# KiCad board data-center-rdimm-ddr5-tester.kicad_pcb (continued)
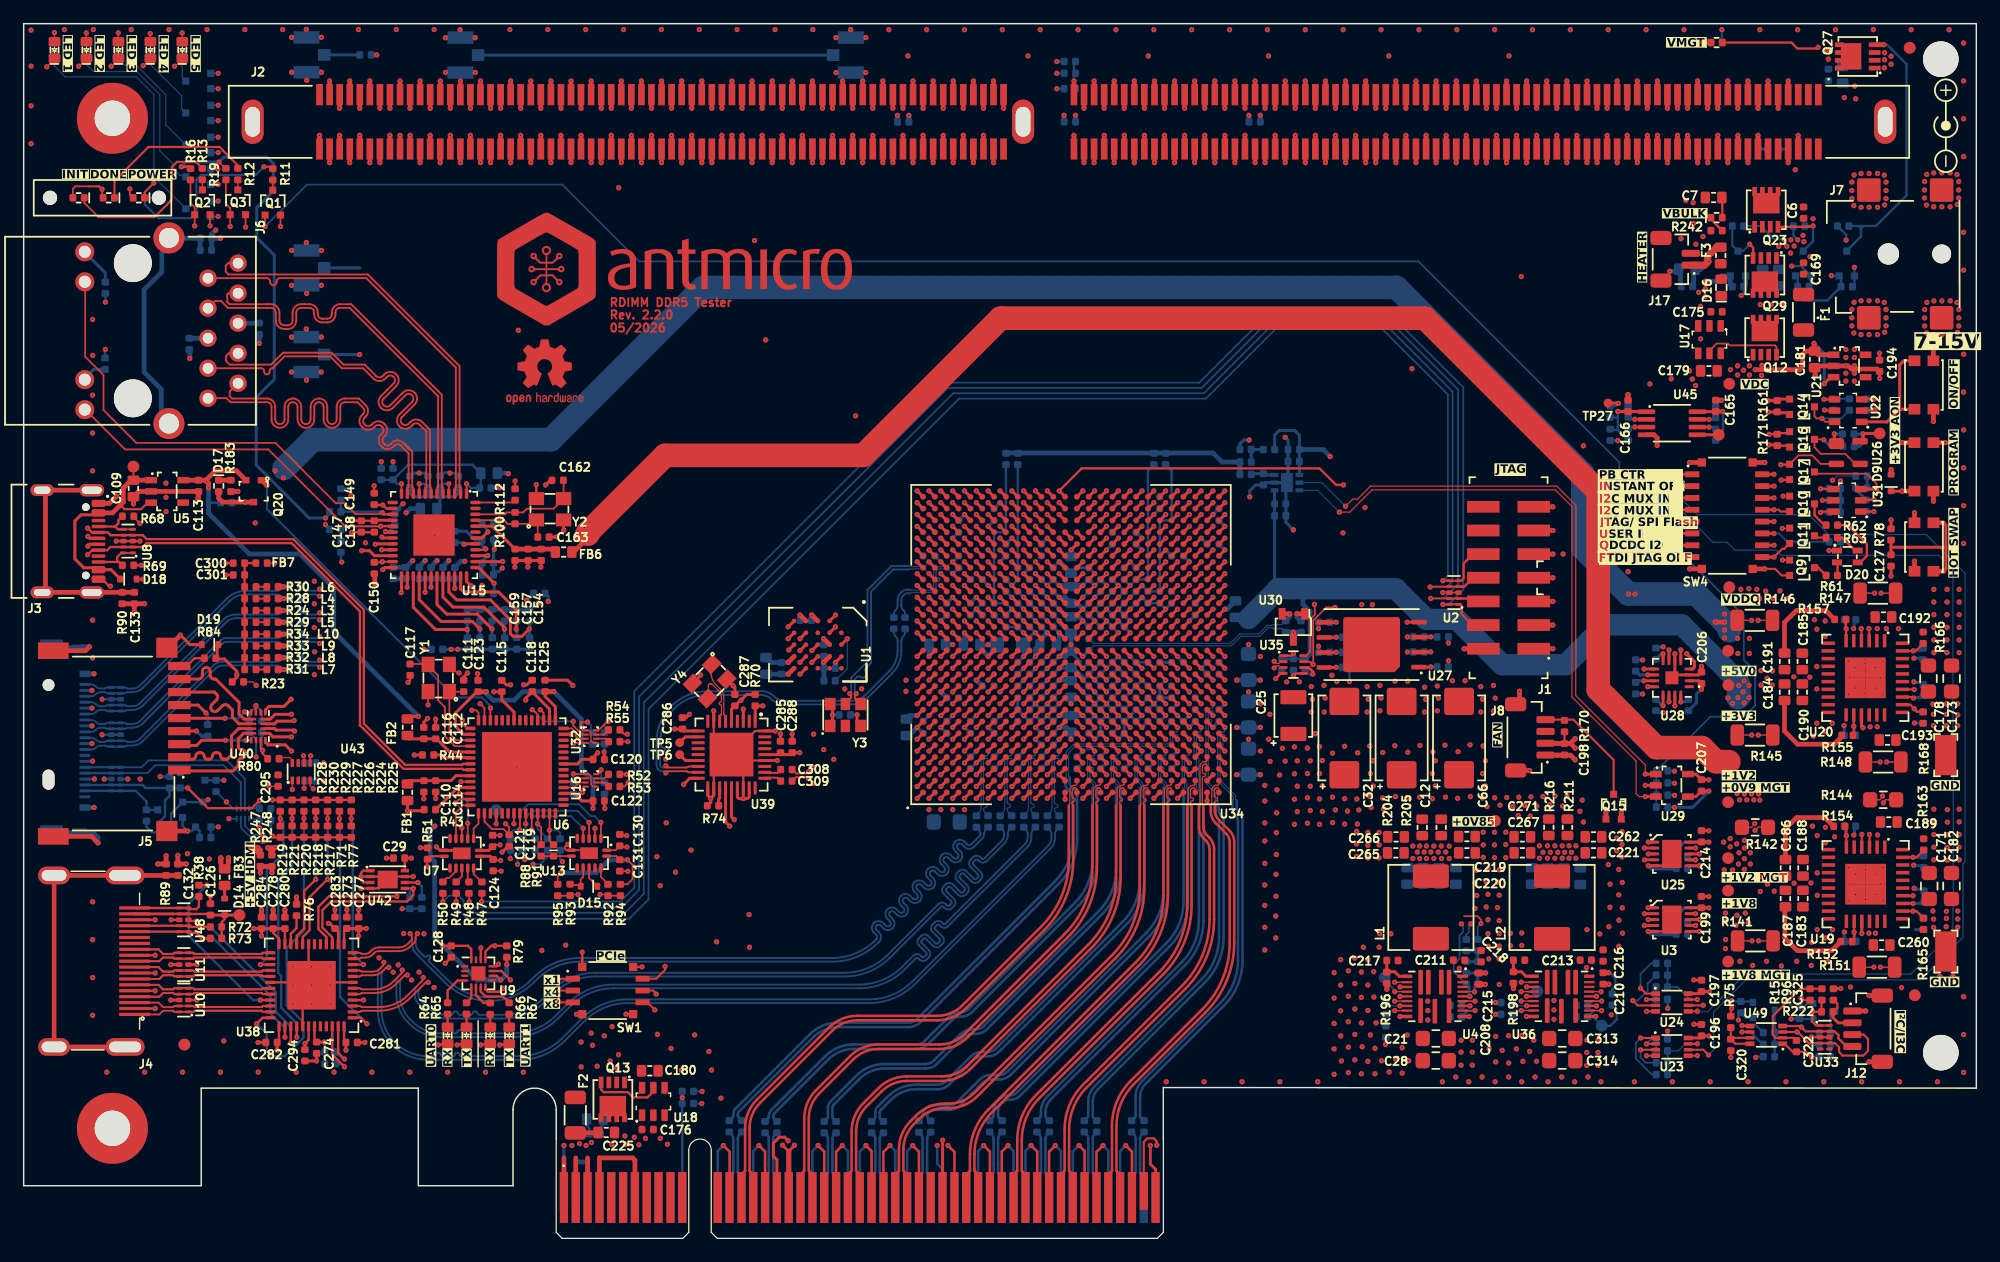
[diagram p0: board, top side]
## Placement (name value [footprint] x y rotation side) (continued)
Y4  Resonator_114.285MHZ_ABM8  [Resonator_SMD_Abracon_ABM8G_3.2x2.5mm]  58.03 47.09 225 top

## Library data of the parts
A1 = -: Datasheet: https://www.qats.com/DataSheet/ATS-61500-Series-C2-R0; MPN: ATS-61500R-C2-R0; Manufacturer: Advanced Thermal Solutions; Author: Antmicro; License: Apache-2.0; ki_fp_filters: Heatsink_*
C1 C11 C14 C22 C31 C44 C62 C63 C73 C85 C94 C239 = -: Datasheet: https://www.murata.com/products/productdetail?partno=GRM188R60J476ME15%23; Manufacturer: Murata; MPN: GRM188R60J476ME15D; Val: 47u; License: Apache-2.0; Author: Antmicro
C2-C5 C69 C110 C112 C115 C118-C120 C123 C125 C132 C133 C165 C166 C169 C170 C175 C176 C195-C197 C199 C203 C206 C207 C209 C212 C214 C223 C226-C234 C244 C245 C250-C257 C275 C276 C279 C289-C293 C300 C302-C309 C320 C322 C328 C330 C332 = -: Datasheet: https://www.murata.com/products/productdetail?partno=GRM155R61H104KE14%23; Manufacturer: Murata; MPN: GRM155R61H104KE14D; Val: 100n; License: Apache-2.0; Author: Antmicro; Voltage: 50V; Dielectric: X5R
C6 C8-C10 C13 C15 C17 C19 C20 C24 C26 C29 C33 C42 C48 C55 C60 C61 C64 C65 C68 C74 C76 C78 C80 C82 C83 C89 C91 C93 C96 C98-C101 C104-C108 C121 C124 C128 C130 C131 C135 C137 C157 C160 C161 C164 C205 C235-C238 C273 C274 C278 C280-C283 C285-C287 C294-C299 C310-C312 C315-C318 C321 C324 C325 = -: Datasheet: https://www.murata.com/products/productdetail?partno=GRM155R61H104KE14%23; MPN: GRM155R61H104KE14D; Manufacturer: Murata; License: Apache-2.0; Author: Antmicro; Val: 100n; Voltage: 50V; Dielectric: X5R
C7 C224 C225 C319 C323 C326 C327 = -: Datasheet: https://product.tdk.com/en/search/capacitor/ceramic/mlcc/info?part_no=C1608X5R1E106M080AC; MPN: C1608X5R1E106M080AC; Manufacturer: TDK; License: Apache-2.0; Author: Antmicro; Val: 10u; Voltage: 25V
C12 C32 C66 = -: Datasheet: https://www.kemet.com/en/us/capacitors/product/T520D108M2R5ATE030.html; MPN: T520D108M2R5ATE030; Manufacturer: KEMET; License: Apache-2.0; Author: Antmicro; Val: 1000u; Voltage: 2.5V; Dielectric: template_dielectric
C16 C18 C23 C27 C30 C37 C49 C67 C70 C71 C87 C95 C167 C168 C243 C277 C284 C288 = -: Datasheet: https://www.murata.com/products/productdetail?partno=GRM155R61A106ME11%23; MPN: GRM155R61A106ME11D; Manufacturer: Murata; License: Apache-2.0; Author: Antmicro; Val: 10u; Voltage: 10V; Dielectric: X5R
C21 C28 C171 C177 C182 C200-C202 C313 C314 = -: Datasheet: https://product.samsungsem.com/mlcc/CL21A226MAYNNN.do; MPN: CL21A226MAYNNNE; Manufacturer: Samsung Electro-Mechanics; License: Apache-2.0; Author: Antmicro; Val: 22u; Voltage: 25V; Dielectric: X5R; Public: False
C25 = -: Datasheet: https://www.kemet.com/en/us/capacitors/product/T520B337M006ATE040.html; Val: 330u; MPN: T520B337M006ATE040; Manufacturer: KEMET; License: Apache-2.0; Author: Antmicro; Voltage: 6.3V; Dielectric: template_dielectric
C34-C36 C39-C41 C43 C45-C47 C50-C53 C56-C59 C75 C77 C79 C81 C84 C86 C88 C90 C92 C211 C213 C246-C248 = -: Datasheet: https://www.murata.com/products/productdetail?partno=GRM155R61E105KE11%23; MPN: GRM155R61E105KE11J; Manufacturer: Murata; License: Apache-2.0; Author: Antmicro; Val: 1u; Voltage: 25V; Dielectric: X5R
C38 C54 C240-C242 = -: Datasheet: https://www.murata.com/products/productdetail?partno=GRM21BR60J107ME15%23; MPN: GRM21BR60J107ME15L; Manufacturer: Murata; License: Apache-2.0; Author: Antmicro; Val: 100u; Public: False
C72 C97 C102 C103 C114 C116 C122 C134 C139 C146 C152 C155 C158 C159 = -: Datasheet: https://www.murata.com/products/productdetail?partno=GRM155R61A475MEAA%23; Manufacturer: Murata; MPN: GRM155R61A475MEAAD; Val: 4u7; License: Apache-2.0; Author: Antmicro
C109 = -: Datasheet: https://product.tdk.com/en/search/capacitor/ceramic/mlcc/info?part_no=C1608X5R1E106M080AC; Manufacturer: TDK; MPN: C1608X5R1E106M080AC; Val: 10u; License: Apache-2.0; Author: Antmicro; Voltage: 25V
C111 C117 = -: Datasheet: https://product.samsungsem.com/mlcc/CL05C180JB51PN.do; Manufacturer: Samsung Electro-Mechanics; MPN: CL05C180JB51PNC; Val: 18p; License: Apache-2.0; Author: Antmicro
C113 C126 C301 C329 C331 = -: Datasheet: https://www.murata.com/products/productdetail?partno=GRM155R60J106ME15%23; MPN: GRM155R60J106ME15D; Manufacturer: Murata; License: Apache-2.0; Author: Antmicro; Val: 10u; Voltage: 6.3V; Dielectric: X5R
C127 C129 C172 C174 C194 C198 = -: Datasheet: https://product.tdk.com/en/search/capacitor/ceramic/mlcc/info?part_no=C1005X6S1A105K050BC; Manufacturer: TDK; MPN: C1005X6S1A105K050BC; Val: 1u; License: Apache-2.0; Author: Antmicro
C136 C140 C141 C144 C147 C150 C151 C153 C154 C156 = -: Datasheet: https://www.murata.com/products/productdetail?partno=GRM155R71H103KA88%23; Manufacturer: Murata; MPN: GRM155R71H103KA88D; Val: 10n; License: Apache-2.0; Author: Antmicro; Voltage: 50V; Dielectric: X7R
C138 C142 C143 C145 C148 C149 = -: Datasheet: https://product.tdk.com/en/search/capacitor/ceramic/mlcc/info?part_no=C1005X5R1E474M050BB; Manufacturer: TDK; MPN: C1005X5R1E474M050BB; Val: 470n; License: Apache-2.0; Author: Antmicro
C162 C163 = -: Datasheet: https://product.samsungsem.com/mlcc/CL05C180JB51PN.do; MPN: CL05C180JB51PNC; Manufacturer: Samsung Electro-Mechanics; License: Apache-2.0; Author: Antmicro; Val: 18p
C173 C178 = -: Datasheet: https://product.samsungsem.com/mlcc/CL21A226MAYNNN.do; Manufacturer: Samsung Electro-Mechanics; MPN: CL21A226MAYNNNE; Val: 22u; License: Apache-2.0; Author: Antmicro; Voltage: 25V; Dielectric: X5R; Public: False
C179-C181 = -: Datasheet: https://product.samsungsem.com/mlcc/CL10A105KA8NNN.do; Manufacturer: Samsung Electro-Mechanics; MPN: CL10A105KA8NNNC; Val: 1u; License: Apache-2.0; Author: Antmicro; Voltage: 25V
C183-C193 C219-C221 C249 C259-C263 C265-C272 = -: Datasheet: https://www.murata.com/products/productdetail?partno=GRM188R60J226MEA0%23; Manufacturer: Murata; MPN: GRM188R60J226MEA0D; Val: 22u; License: Apache-2.0; Author: Antmicro
C204 = -: Datasheet: https://product.tdk.com/en/search/capacitor/ceramic/mlcc/info?part_no=C1005X6S1A105K050BC; MPN: C1005X6S1A105K050BC; Manufacturer: TDK; License: Apache-2.0; Author: Antmicro; Val: 1u
C208 C210 C217 C218 = -: Datasheet: https://www.murata.com/products/productdetail?partno=GRM155C61E475ME15%23; MPN: GRM155C61E475ME15J; Manufacturer: Murata; License: Apache-2.0; Author: Antmicro; Val: 4u7; Voltage: 25V; Dielectric: X5S
C215 C216 = -: Datasheet: https://www.murata.com/products/productdetail?partno=GRM155R71C224KA12%23; MPN: GRM155R71C224KA12D; Manufacturer: Murata; License: Apache-2.0; Author: Antmicro; Val: 220n; Voltage: 16V; Dielectric: X7R
C222 C258 = -: Datasheet: https://www.murata.com/products/productdetail?partno=GRM155R71H103KA88%23; MPN: GRM155R71H103KA88D; Manufacturer: Murata; License: Apache-2.0; Author: Antmicro; Val: 10n; Voltage: 50V; Dielectric: X7R
C264 = -: Datasheet: https://www.yageo.com/en/Chart/Download/pdf/CC0402JRNPO9BN220; Description: SMD Multilayer Ceramic Capacitor, 22 pF, 50 V, 0402 [1005 Metric], ± 5%, C0G / NP0, CC Series; MPN: CC0402JRNPO9BN220; Manufacturer: YAGEO; License: Apache-2.0; Author: Antmicro; Val: 22p
C333-C336 = -: Manufacturer: Murata; MPN: GRM155R61H104KE14D; Val: 100n; License: Apache-2.0; Author: Antmicro; Voltage: 50V; Dielectric: X5R
D1-D3 D17 D21 D22 = -: Datasheet: https://www.vishay.com/docs/82554/vlmo1500.pdf; MPN: VLMTG1500-GS08; Manufacturer: Vishay; Color: Green; Author: Antmicro; License: Apache-2.0
D4-D8 = -: Datasheet: http://www.kingbright.com/attachments/file/psearch//000/00/00/KP-1608CGCK(Ver.23B).pdf; MPN: KP-1608CGCK; Manufacturer: Kingbright; Author: Antmicro; License: Apache-2.0; Color: Green
D9 D18 D19 = -: Datasheet: https://assets.nexperia.com/documents/data-sheet/PESD5V0X1UB.pdf; MPN: PESD5V0X1UB,135; Manufacturer: Nexperia; Author: Antmicro; License: Apache-2.0
D10-D13 = -: Datasheet: http://www.kingbright.com/attachments/file/psearch//000/00/00/KP-1608CGCK(Ver.23B).pdf; MPN: KP-1608CGCK; Manufacturer: Kingbright; Color: Green; Author: Antmicro; License: Apache-2.0
D14 D15 = -: Datasheet: https://www.vishay.com/docs/85633/bat5402v.pdf; Manufacturer: Vishay; Author: Antmicro; License: Apache-2.0
D16 = -: Datasheet: https://www.st.com/resource/en/datasheet/esda25p35-1u1m.pdf; Manufacturer: STMicroelectronics; Author: Antmicro; License: Apache-2.0
D20 = -: Datasheet: https://www.kingbrightusa.com/images/catalog/SPEC/APTF1616SURKCGKSYKC.pdf; MPN: APTF1616SURKCGKSYKC; Manufacturer: Kingbright; Color: R, G, Y; Author: Antmicro; License: Apache-2.0
F1 F2 = -: Datasheet: https://www.littelfuse.com/media?resourcetype=datasheets&itemid=dbe9bcd7-6072-4adf-bf5b-d33e52a6b90f&filename=littelfuse-fuse-466-datasheet; Manufacturer: Littelfuse; MPN: 0466004.NR; Author: Antmicro; License: Apache-2.0
F3 = -: Datasheet: https://www.littelfuse.com/~/media/electronics/datasheets/fuses/littelfuse_fuse_467_datasheet.pdf.pdf; MPN: 04671.25NR; Manufacturer: Littelfuse; Author: Antmicro; License: Apache-2.0
FB1 FB2 = -: Datasheet: https://www.murata.com/en-us/products/productdata/8796738650142/ENFA0003.pdf; Val: 600Z/0.5A; MPN: BLM18AG601SN1D; Manufacturer: Murata; Author: Antmicro; License: Apache-2.0
FB3-FB6 = -: Datasheet: https://www.murata.com/en-us/products/productdata/8796738650142/ENFA0003.pdf; Val: 120Z/2A; MPN: BLM18PG121SN1D; Manufacturer: Murata; Author: Antmicro; License: Apache-2.0
FB7 = -: Datasheet: https://www.murata.com/en-us/products/productdata/8796740059166/ENFA0018.pdf; Val: 120Z/1.3A; MPN: BLM15PD121SN1D; Manufacturer: Murata; Author: Antmicro; License: Apache-2.0
H2 = -: Datasheet: https://docs.rs-online.com/e47b/0900766b813f6efb.pdf; Manufacturer: Mentor Worldwide; MPN: 1296.2013; Author: Antmicro; License: Apache-2.0
J1 = -: Datasheet: https://www.molex.com/pdm_docs/ps/PS-87831-027-001.pdf; MPN: 878321412; Manufacturer: Molex; Author: Antmicro; License: Apache-2.0
J2 = -: Datasheet: https://www.amphenol-icc.com/ddr5-smt-ddr504111002kq.html; Manufacturer: Amphenol; MPN: DDR504111002KQ; Author: Antmicro; License: Apache-2.0
J3 = -: Datasheet: https://gct.co/files/drawings/usb4105.pdf; Manufacturer: GCT; MPN: USB4105-GF-A; Author: Antmicro; License: Apache-2.0
J4 = -: Datasheet: https://www.we-online.com/components/products/datasheet/685119134923.pdf; MPN: 685119134923; Manufacturer: Würth Elektronik; Author: Antmicro; License: Apache-2.0; ki_fp_filters: 685119134923
J5 = -: Datasheet: https://www.we-online.com/catalog/datasheet/693071020811.pdf; Manufacturer: Würth Elektronik; MPN: 693071020811; Author: Antmicro; License: Apache-2.0
J6 = -: Datasheet: https://www.mouser.com/datasheet/3/184/1/ARJM11.pdf; Description: Modular Connectors / Ethernet Connectors RJ45 JACK W/MAG 1X1 1000BASE-T; MPN: ARJM11B1-502-AB-EW2; Manufacturer: Abracon; Author: Antmicro; License: Apache-2.0
J7 = -: Datasheet: https://www.we-online.com/components/products/datasheet/694106106102.pdf; Description: DC Power Connector, Jack, 5 A, 2 mm, PCB Mount, Surface Mount; MPN: 694106106102; Manufacturer: Würth Elektronik; Author: Antmicro; License: Apache-2.0
J8 J12 = -: Datasheet: https://www.jst-mfg.com/product/pdf/eng/eSH.pdf; MPN: BM04B-SRSS-TB(LF)(SN); Manufacturer: JST Automotive Connectors; Author: Antmicro; License: Apache-2.0
J9 J13-J16 = -: Datasheet: https://media.digikey.com/pdf/Data%20Sheets/Hirose%20PDFs/UFL%20Series.pdf; MPN: U.FL-R-SMT-1(10); Manufacturer: Hirose Electric; Author: Antmicro; License: Apache-2.0
J10 TP1 TP2 TP5-TP19 TP22 TP25-TP27 = -: Author: Antmicro; License: Apache-2.0
J11 = -: Datasheet: https://www.i-pex.com/sites/default/files/downloads/pdf/MANUAL_CABLINE-VS_HIM-08004-07EN.pdf; MPN: 20455-A20E-76; Manufacturer: I-PEX; Author: Antmicro; License: Apache-2.0
J17 = -: Datasheet: https://www.jst-mfg.com/product/pdf/eng/eSH.pdf; MPN: BM02B-SRSS-TB(LF)(SN); Manufacturer: JST Automotive Connectors; Author: Antmicro; License: Apache-2.0
L1 L2 = -: Datasheet: https://www.we-online.com/components/products/datasheet/744302015.pdf; Val: 150n/30A; Manufacturer: Würth Elektronik; MPN: 744302015; ISat: 35 A; IMax: 30 A; Size: 7.15x7; Author: Antmicro; License: Apache-2.0
L3-L10 = -: Datasheet: https://product.tdk.com/system/files/dam/doc/product/inductor/inductor/smd/catalog/inductor_automotive_high-frequency_mlg1005s_en.pdf?ref_disty=mouser; Val: 20n/0.35A; Manufacturer: TDK; MPN: MLG1005S20NJTD25; IMax: 0.35 A; Size: 1.0x0.5; Author: Antmicro; License: Apache-2.0
NT1-NT16 TP3 TP4 TP23 TP24 = -: Author: Antmicro; License: Apache-2.0; ki_fp_filters: Net*Tie*
Q1-Q11 Q14-Q19 Q21 Q25 Q26 Q28 = -: Datasheet: https://assets.nexperia.com/documents/data-sheet/BSS138PW.pdf; Manufacturer: Nexperia; Author: Antmicro; License: Apache-2.0
Q12 Q13 Q23 Q27 Q29 = -: Datasheet: https://www.vishay.com/docs/64809/si7613dn.pdf; Manufacturer: Vishay; Author: Antmicro; License: Apache-2.0
Q20 Q22 Q24 = -: Datasheet: https://assets.nexperia.com/documents/data-sheet/BSS84AKW.pdf; MPN: BSS84AKW,115; Manufacturer: Nexperia; Author: Antmicro; License: Apache-2.0
R1 R2 R43 R79 R101-R109 R111 = -: Datasheet: https://www.bourns.com/docs/product-datasheets/cr.pdf; Manufacturer: Bourns; MPN: CR0402-FX-1002GLF; Val: 10k; License: Apache-2.0; Author: Antmicro; Tolerance: 1%
R3 R113-R121 = -: Datasheet: https://www.bourns.com/docs/product-datasheets/cr.pdf; Manufacturer: Bourns; MPN: CR0402-FX-2201GLF; Val: 2k2; License: Apache-2.0; Author: Antmicro; Tolerance: 1%
R4 R5 R16 R18 R78 R94 R95 R122-R125 R150 R159 = -: Datasheet: https://www.bourns.com/docs/product-datasheets/cr.pdf; Manufacturer: Bourns; MPN: CR0402-FX-4701GLF; Val: 4k7; License: Apache-2.0; Author: Antmicro; Tolerance: 1%
R6-R9 R47-R50 R52-R60 = -: Datasheet: https://www.bourns.com/docs/product-datasheets/cr.pdf; Manufacturer: Bourns; MPN: CR0402-FX-22R0GLF; Val: 22R; License: Apache-2.0; Author: Antmicro; Tolerance: 1%
R10 R21 R22 R36 R37 R194 = -: Datasheet: https://www.bourns.com/docs/product-datasheets/cr.pdf; Manufacturer: Bourns; MPN: CR0402-FX-1000GLF; Val: 100R; License: Apache-2.0; Author: Antmicro; Tolerance: 1%
R11-R13 R19 R40-R42 R45 R46 R61-R67 R84 R89 R90 R183 R193 = -: Datasheet: https://www.bourns.com/docs/product-datasheets/cr.pdf; Manufacturer: Bourns; MPN: CR0402-FX-3300GLF; Val: 330R; License: Apache-2.0; Author: Antmicro; Tolerance: 1%
R14 R17 R23 R80 R85 R86 R128 R170 R191 R192 = -: Datasheet: https://www.bourns.com/docs/product-datasheets/cr.pdf; MPN: CR0402-FX-1002GLF; Manufacturer: Bourns; License: Apache-2.0; Author: Antmicro; Val: 10k; Tolerance: 1%
R15 R26 R27 R38 R96 R126 R127 R136-R138 R181 R185 R186 R200 R203 R208 R209 R212-R214 R222 R247 R248 R255-R260 = -: Datasheet: https://industrial.panasonic.com/cdbs/www-data/pdf/RDA0000/AOA0000C301.pdf; MPN: ERJ2GE0R00X; Manufacturer: Panasonic; License: Apache-2.0; Author: Antmicro; Val: 0R; Current: 1A
R20 R39 R70 R74 R97 R206 R231 R241-R243 = -: Datasheet: https://www.bourns.com/docs/product-datasheets/cr.pdf; MPN: CR0402-FX-4701GLF; Manufacturer: Bourns; License: Apache-2.0; Author: Antmicro; Val: 4k7; Tolerance: 1%
R24 R28-R34 = -: Datasheet: https://www.bourns.com/docs/product-datasheets/cr.pdf; MPN: CR0402-FX-4992GLF; Manufacturer: Bourns; License: Apache-2.0; Author: Antmicro; Val: 49k9; Tolerance: 1%
R25 R188 R223 R232 R238 R240 R244 R245 R249 R250 R252 = -: Datasheet: https://www.bourns.com/docs/product-datasheets/cr.pdf; MPN: CR0402-FX-4702GLF; Manufacturer: Bourns; License: Apache-2.0; Author: Antmicro; Val: 47k; Tolerance: 1%
R35 R215 = -: Datasheet: https://www.bourns.com/docs/product-datasheets/cr.pdf; MPN: CR0402-FX-1000GLF; Manufacturer: Bourns; License: Apache-2.0; Author: Antmicro; Val: 100R; Tolerance: 1%
R44 = -: Datasheet: https://www.bourns.com/docs/product-datasheets/cr.pdf; Manufacturer: Bourns; MPN: CR0402-FX-1202GLF; Val: 12k; License: Apache-2.0; Author: Antmicro; Tolerance: 1%
R51 R135 R139 R140 R143 R149 R160 R161 R171-R173 R184 R187 R190 R210 R235 = -: Datasheet: https://www.bourns.com/docs/product-datasheets/cr.pdf; Manufacturer: Bourns; MPN: CR0402-FX-4702GLF; Val: 47k; License: Apache-2.0; Author: Antmicro; Tolerance: 1%
R68 R69 = -: Datasheet: https://www.bourns.com/docs/product-datasheets/cr.pdf; Manufacturer: Bourns; MPN: CR0402-FX-5111GLF; Val: 5k11; License: Apache-2.0; Author: Antmicro; Tolerance: 1%
R71 R77 R217-R221 R224-R230 = -: Datasheet: https://www.bourns.com/docs/product-datasheets/cr.pdf; MPN: CR0402-FX-6492GLF; Manufacturer: Bourns; License: Apache-2.0; Author: Antmicro; Val: 64k9; Tolerance: 1%
R72 R73 R234 R236 R237 R239 = -: Datasheet: https://www.bourns.com/docs/product-datasheets/cr.pdf; MPN: CR0402-FX-2201GLF; Manufacturer: Bourns; License: Apache-2.0; Author: Antmicro; Val: 2k2; Tolerance: 1%
R75 = -: Datasheet: https://www.bourns.com/docs/product-datasheets/cr.pdf; MPN: CR0402-FX-2003GLF; Manufacturer: Bourns; License: Apache-2.0; Author: Antmicro; Val: 200k; Tolerance: 1%
R76 = -: Datasheet: https://www.farnell.com/datasheets/3795017.pdf; MPN: RMCF0402FT6K49; Manufacturer: Stackpole Electronics; License: Apache-2.0; Author: Antmicro; Val: 6k49; Tolerance: 1%
R81 R82 R129-R132 R253 R254 = -: Datasheet: https://www.bourns.com/docs/product-datasheets/cr.pdf; MPN: CR0402-FX-1001GLF; Manufacturer: Bourns; License: Apache-2.0; Author: Antmicro; Val: 1k; Tolerance: 1%
R83 = -: Datasheet: https://www.bourns.com/docs/product-datasheets/cr.pdf; MPN: CR0402-FX-1003GLF; Manufacturer: Bourns; License: Apache-2.0; Author: Antmicro; Val: 100k; Tolerance: 1%
R87 R246 = -: Datasheet: https://www.bourns.com/docs/product-datasheets/cr.pdf; MPN: CR0402-FX-3300GLF; Manufacturer: Bourns; License: Apache-2.0; Author: Antmicro; Val: 330R; Tolerance: 1%
R88 R91-R93 R152-R158 R162-R169 R174-R179 R207 = -: Datasheet: https://industrial.panasonic.com/cdbs/www-data/pdf/RDA0000/AOA0000C301.pdf; Manufacturer: Panasonic; MPN: ERJ2GE0R00X; Val: 0R; License: Apache-2.0; Author: Antmicro; Current: 1A
R98 R99 = -: Datasheet: https://www.bourns.com/docs/product-datasheets/cr.pdf; Manufacturer: Bourns; MPN: CR0402-FX-2200GLF; Val: 220R; License: Apache-2.0; Author: Antmicro; Tolerance: 1%
R100 = -: Datasheet: https://www.bourns.com/docs/product-datasheets/cr.pdf; Manufacturer: Bourns; MPN: CR0402-FX-1804GLF; Val: 1M8; License: Apache-2.0; Author: Antmicro; Tolerance: 1%
R110 = -: Datasheet: https://www.bourns.com/docs/product-datasheets/cr.pdf; Manufacturer: Bourns; MPN: CR0402-FX-1001GLF; Val: 1k; License: Apache-2.0; Author: Antmicro; Tolerance: 1%
R112 = -: Datasheet: https://www.bourns.com/docs/product-datasheets/cr.pdf; Manufacturer: Bourns; MPN: CR0402-FX-1212GLF; Val: 12k1; License: Apache-2.0; Author: Antmicro; Tolerance: 1%
R133 R134 R180 R182 = -: Datasheet: https://www.bourns.com/docs/product-datasheets/cr.pdf; MPN: CR0402-FX-2400GLF; Manufacturer: Bourns; License: Apache-2.0; Author: Antmicro; Val: 240R; Tolerance: 1%
R141 R145-R148 R151 = -: Datasheet: https://www.yageo.com/upload/media/product/productsearch/datasheet/rchip/PYu-RL_Group_521_RoHS_L_2.pdf; Manufacturer: YAGEO; MPN: RL1206FR-7W0R01L; Val: 0R01; License: Apache-2.0; Author: Antmicro; Tolerance: 1%
R142 R144 = -: Datasheet: https://www2.mouser.com/datasheet/2/447/PYu_PA0100_2512_51_RoHS_2-2604383.pdf; MPN: PA0805FRE470R002L; Manufacturer: YAGEO; License: Apache-2.0; Author: Antmicro; Val: 0R002; Tolerance: 1%
R189 R195 = -: Datasheet: https://www.bourns.com/docs/product-datasheets/cr.pdf; MPN: CR0402-FX-6042GLF; Manufacturer: Bourns; License: Apache-2.0; Author: Antmicro; Val: 60k4; Tolerance: 1%
R196 R198 = -: Datasheet: https://www.bourns.com/docs/product-datasheets/cr.pdf; MPN: CR0402-FX-10R0GLF; Manufacturer: Bourns; License: Apache-2.0; Author: Antmicro; Val: 10R; Tolerance: 1%
R197 = -: Datasheet: https://www.bourns.com/docs/product-datasheets/cr.pdf; MPN: CR0402-FX-4991GLF; Manufacturer: Bourns; License: Apache-2.0; Author: Antmicro; Val: 4k99; Tolerance: 1%
R199 = -: Datasheet: https://www.bourns.com/docs/product-datasheets/cr.pdf; MPN: CR0402-FX-1502GLF; Manufacturer: Bourns; License: Apache-2.0; Author: Antmicro; Val: 15k; Tolerance: 1%
R201 = -: Datasheet: https://www.yageo.com/upload/media/product/app/datasheet/rchip/pyu-rt_1-to-0.01_rohs_l.pdf; MPN: RT0402BRD073K4L; Manufacturer: YAGEO; License: Apache-2.0; Author: Antmicro; Val: 3k4; Tolerance: 0.1%
R202 = -: Datasheet: https://www.yageo.com/upload/media/product/app/datasheet/rchip/pyu-rt_1-to-0.01_rohs_l.pdf; MPN: RT0402BRE078K16L; Manufacturer: YAGEO; License: Apache-2.0; Author: Antmicro; Val: 8k16; Tolerance: 0.1%
R204 R205 R211 R216 = -: Datasheet: https://fscdn.rohm.com/en/products/databook/datasheet/passive/resistor/chip_resistor/pmr-jpw-e.pdf; Manufacturer: ROHM Semiconductor; MPN: PMR03EZPJ000; Val: 0R; Author: Antmicro; License: Apache-2.0; Max. Curr.: 22.4A
R233 = -: Datasheet: https://www.bourns.com/docs/product-datasheets/cr.pdf; MPN: CR0402-FX-49R9GLF; Manufacturer: Bourns; License: Apache-2.0; Author: Antmicro; Val: 49R9; Tolerance: 1%
R251 = -: Datasheet: https://industrial.panasonic.com/cdbs/www-data/pdf/RDA0000/AOA0000C301.pdf; Description: SMD Chip Resistor, Jumper, 0 ohm, 100 mW, 0402 [1005 Metric], Thick Film, General Purpose; MPN: ERJ2GE0R00X; Manufacturer: Panasonic; License: Apache-2.0; Author: Antmicro; Val: 0R; Current: 1A
SW1 = -: Datasheet: https://www.mouser.com/datasheet/2/972/cvs-1827291.pdf; Manufacturer: Nidec Components; Author: Antmicro; License: Apache-2.0; ki_fp_filters: SW?DIP?x2*
SW2 SW3 SW5 = -: Datasheet: http://www.farnell.com/datasheets/2631211.pdf; MPN: KMR211NGLFS; Manufacturer: C&K; Author: Antmicro; License: Apache-2.0
SW4 = -: Datasheet: https://www.mouser.com/datasheet/2/972/cvs-1827291.pdf; MPN: CVS-08TB; Manufacturer: Nidec Components; Author: Antmicro; License: Apache-2.0; ki_fp_filters: SW?DIP?x2*
TP20 TP21 = -: Datasheet: https://www.te.com/commerce/DocumentDelivery/DDEController?Action=srchrtrv&DocNm=1773266&DocType=DS&DocLang=English; MPN: RCW-0C; Manufacturer: TE Connectivity; Author: Antmicro; License: Apache-2.0
U1 = -: Datasheet: https://www.issi.com/WW/pdf/66-67WVH16M8DALL-BLL.pdf; Manufacturer: ISSI; Author: Antmicro; License: Apache-2.0
U2 U8 U10 U11 U33 U37 U41 U47 U48 = -: Datasheet: https://www.ti.com/lit/ds/symlink/tpd4e05u06-q1.pdf?HQS=dis-mous-null-mousermode-dsf-pf-null-wwe&ts=1663591265741&ref_url=https%253A%252F%252Fwww.mouser.com%252F; Manufacturer: Texas Instruments; Author: Antmicro; License: Apache-2.0
U3 U25 = -: Datasheet: https://ww1.microchip.com/downloads/aemDocuments/documents/MSLD/ProductDocuments/DataSheets/PAC1710-PAC1720-Data-Sheet-DS20005386.pdf; MPN: PAC1720-1-AIA-TR; Manufacturer: Microchip Technology; Author: Antmicro; License: Apache-2.0; ki_fp_filters: UQFN*1EP*4x4mm*P0.65mm*
U4 U36 = -: Datasheet: https://www.monolithicpower.com/en/documentview/productdocument/index/version/2/document_type/Datasheet/lang/en/sku/MP8796B/; MPN: MP8796BGVT-0000-Z; Manufacturer: Monolithic Power Systems; Author: Antmicro; License: Apache-2.0
U5 U21 = -: Datasheet: https://www.mouser.com/datasheet/2/308/NCP718_D-1224359.pdf; Manufacturer: ON Semiconductor; Author: Antmicro; License: Apache-2.0
U6 = -: Datasheet: https://www.ftdichip.com/Support/Documents/DataSheets/ICs/DS_FT4232H.pdf; Manufacturer: FTDI Chip; MPN: FT4232H-56Q-REEL; Author: Antmicro; License: Apache-2.0
U7 U13 = -: Datasheet: https://www.ti.com/lit/ds/symlink/txu0304.pdf?ts=1637748643258&ref_url=https%253A%252F%252Fwww.ti.com%252Fproduct%252FTXU0304; Manufacturer: Texas Instruments; Author: Antmicro; License: Apache-2.0
U9 = -: Datasheet: https://www.ti.com/general/docs/suppproductinfo.tsp?distId=26&gotoUrl=https://www.ti.com/lit/gpn/sn74hc595b; MPN: SN74HC595BRWNR; Manufacturer: Texas Instruments; Author: Antmicro; License: Apache-2.0
U12 = -: Datasheet: https://ww1.microchip.com/downloads/en/DeviceDoc/22272C.pdf; MPN: MCP4726A0T-E/MAY; Manufacturer: Microchip Technology; Author: Antmicro; License: Apache-2.0; ki_fp_filters: DFN6_2x2MC_MCH DFN6_2x2MC_MCH-M DFN6_2x2MC_MCH-L
U15 = -: Datasheet: http://ww1.microchip.com/downloads/en/DeviceDoc/00002117F.pdf; Manufacturer: Microchip Technology; Author: Antmicro; License: Apache-2.0
U16 U32 U44 = -: Datasheet: https://www.ti.com/lit/ds/symlink/txs0102.pdf?ts=1637914596981&ref_url=https%253A%252F%252Fwww.ti.com%252Fstore%252Fti%252Fen%252Fp%252Fproduct%252F%253Fp%253DTXS0102DCTR%2526keyMatch%253DTXS0102DCTR%2526tisearch%253Dsearch-everything%2526usecase%253DOPN; Manufacturer: Texas Instruments; Author: Antmicro; License: Apache-2.0
U17 U18 = -: Datasheet: https://www.mouser.com/datasheet/2/308/NCV8187_D-1813214.pdf; MPN: LTC4412IS6#TRMPBF; Manufacturer: Analog Devices; Author: Antmicro; License: Apache-2.0
U19 U20 = -: Datasheet: https://www.monolithicpower.com/en/documentview/productdocument/index/version/2/document_type/Datasheet/lang/en/sku/MPM54304/document_id/4982/; MPN: MPM54304GMN-0000; Manufacturer: Monolithic Power Systems; Author: Antmicro; License: Apache-2.0; ki_fp_filters: CP_48_13_ADI CP_48_13_ADI-M CP_48_13_ADI-L
U22 = -: Datasheet: https://datasheets.maximintegrated.com/en/ds/MAX16150.pdf; Manufacturer: Maxim Integrated Products; MPN: MAX16150AUT+T; License: Apache-2.0; Author: Antmicro
U23 U24 = -: Datasheet: https://www.ti.com/general/docs/suppproductinfo.tsp?distId=26&gotoUrl=http%3A%2F%2Fwww.ti.com%2Flit%2Fgpn%2Fts5a3359; MPN: TS5A3359DCUR; Manufacturer: Texas Instruments; Author: Antmicro; License: Apache-2.0